# KiCad board panelized.kicad_pcb (continued)
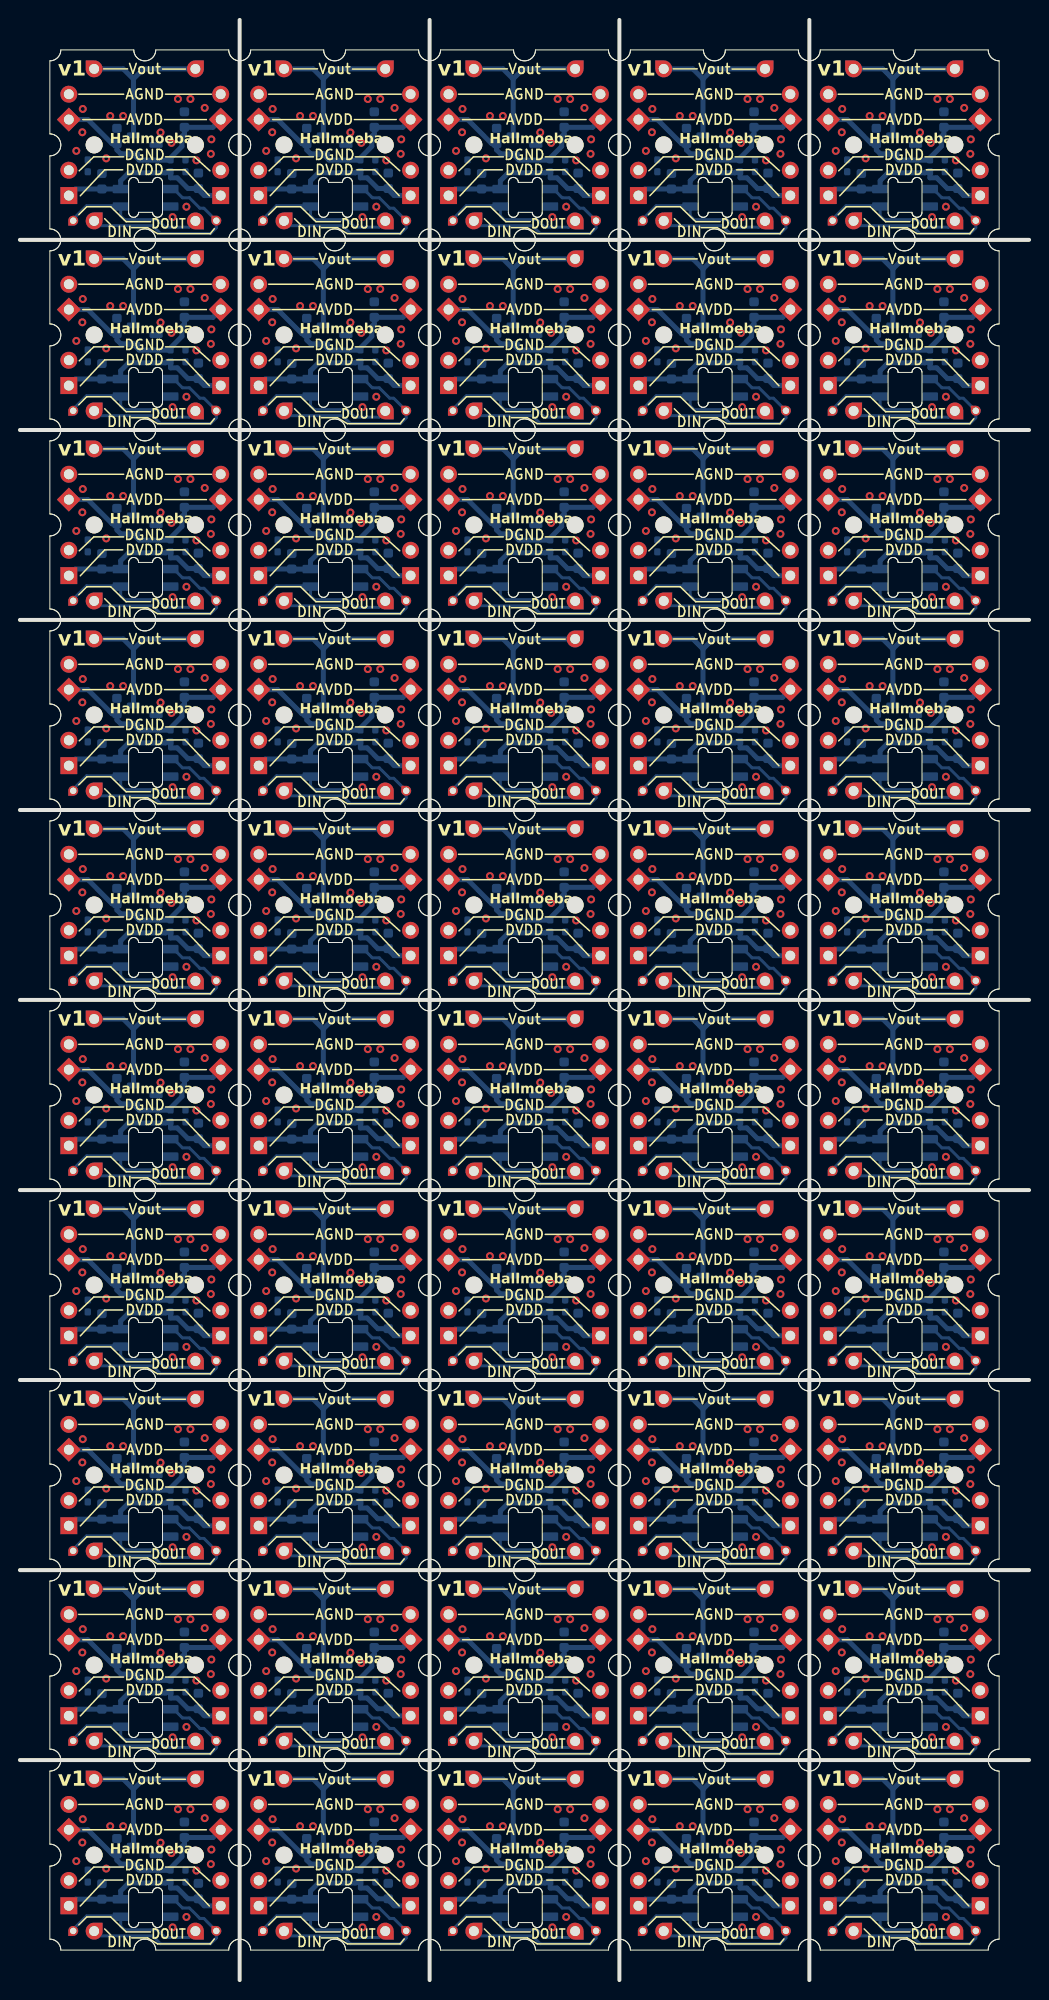
[diagram p0: board, top side]
## Placement (name value [footprint] x y rotation side) (continued)
J2#30  Conn_01x01_Pin  [PinHeader_1x01_P2.54mm_Vertical#2]  81.1 7.44 180 bottom
J2#31  Conn_01x01_Pin  [PinHeader_1x01_P2.54mm_Vertical#2]  43 102.69 180 bottom
J2#32  Conn_01x01_Pin  [PinHeader_1x01_P2.54mm_Vertical#2]  81.1 140.8 180 bottom
J2#33  Conn_01x01_Pin  [PinHeader_1x01_P2.54mm_Vertical#2]  81.1 159.84 180 bottom
J2#34  Conn_01x01_Pin  [PinHeader_1x01_P2.54mm_Vertical#2]  23.95 7.44 180 bottom
J2#35  Conn_01x01_Pin  [PinHeader_1x01_P2.54mm_Vertical#2]  62.06 140.8 180 bottom
J2#36  Conn_01x01_Pin  [PinHeader_1x01_P2.54mm_Vertical#2]  62.06 83.65 180 bottom
J2#37  Conn_01x01_Pin  [PinHeader_1x01_P2.54mm_Vertical#2]  43 64.59 180 bottom
J2#38  Conn_01x01_Pin  [PinHeader_1x01_P2.54mm_Vertical#2]  62.06 159.84 180 bottom
J2#39  Conn_01x01_Pin  [PinHeader_1x01_P2.54mm_Vertical#2]  62.06 102.69 180 bottom
J2#40  Conn_01x01_Pin  [PinHeader_1x01_P2.54mm_Vertical#2]  81.1 83.65 180 bottom
J2#41  Conn_01x01_Pin  [PinHeader_1x01_P2.54mm_Vertical#2]  62.06 64.59 180 bottom
J2#42  Conn_01x01_Pin  [PinHeader_1x01_P2.54mm_Vertical#2]  62.06 121.75 180 bottom
J2#43  Conn_01x01_Pin  [PinHeader_1x01_P2.54mm_Vertical#2]  4.91 159.84 180 bottom
J2#44  Conn_01x01_Pin  [PinHeader_1x01_P2.54mm_Vertical#2]  43 83.65 180 bottom
J2#45  Conn_01x01_Pin  [PinHeader_1x01_P2.54mm_Vertical#2]  23.95 140.8 180 bottom
J2#46  Conn_01x01_Pin  [PinHeader_1x01_P2.54mm_Vertical#2]  23.95 64.59 180 bottom
J2#47  Conn_01x01_Pin  [PinHeader_1x01_P2.54mm_Vertical#2]  62.06 178.9 180 bottom
J2#48  Conn_01x01_Pin  [PinHeader_1x01_P2.54mm_Vertical#2]  23.95 159.84 180 bottom
J2#49  Conn_01x01_Pin  [PinHeader_1x01_P2.54mm_Vertical#2]  4.91 64.59 180 bottom
J2#50  Conn_01x01_Pin  [PinHeader_1x01_P2.54mm_Vertical#2]  62.06 45.54 180 bottom
J3  Conn_01x01_Pin  [PinHeader_1x01_P2.54mm_Vertical#3]  4.91 17.6 180 bottom
J3#2  Conn_01x01_Pin  [PinHeader_1x01_P2.54mm_Vertical#3]  23.95 93.81 180 bottom
J3#3  Conn_01x01_Pin  [PinHeader_1x01_P2.54mm_Vertical#3]  23.95 131.91 180 bottom
J3#4  Conn_01x01_Pin  [PinHeader_1x01_P2.54mm_Vertical#3]  23.95 36.66 180 bottom
J3#5  Conn_01x01_Pin  [PinHeader_1x01_P2.54mm_Vertical#3]  81.1 112.86 180 bottom
J3#6  Conn_01x01_Pin  [PinHeader_1x01_P2.54mm_Vertical#3]  43 17.6 180 bottom
J3#7  Conn_01x01_Pin  [PinHeader_1x01_P2.54mm_Vertical#3]  23.95 112.86 180 bottom
J3#8  Conn_01x01_Pin  [PinHeader_1x01_P2.54mm_Vertical#3]  43 93.81 180 bottom
J3#9  Conn_01x01_Pin  [PinHeader_1x01_P2.54mm_Vertical#3]  81.1 74.75 180 bottom
J3#10  Conn_01x01_Pin  [PinHeader_1x01_P2.54mm_Vertical#3]  4.91 112.86 180 bottom
J3#11  Conn_01x01_Pin  [PinHeader_1x01_P2.54mm_Vertical#3]  4.91 55.71 180 bottom
J3#12  Conn_01x01_Pin  [PinHeader_1x01_P2.54mm_Vertical#3]  62.06 93.81 180 bottom
J3#13  Conn_01x01_Pin  [PinHeader_1x01_P2.54mm_Vertical#3]  4.91 189.06 180 bottom
J3#14  Conn_01x01_Pin  [PinHeader_1x01_P2.54mm_Vertical#3]  4.91 74.75 180 bottom
J3#15  Conn_01x01_Pin  [PinHeader_1x01_P2.54mm_Vertical#3]  4.91 131.91 180 bottom
J3#16  Conn_01x01_Pin  [PinHeader_1x01_P2.54mm_Vertical#3]  81.1 131.91 180 bottom
J3#17  Conn_01x01_Pin  [PinHeader_1x01_P2.54mm_Vertical#3]  23.95 189.06 180 bottom
J3#18  Conn_01x01_Pin  [PinHeader_1x01_P2.54mm_Vertical#3]  43 55.71 180 bottom
J3#19  Conn_01x01_Pin  [PinHeader_1x01_P2.54mm_Vertical#3]  4.91 170 180 bottom
J3#20  Conn_01x01_Pin  [PinHeader_1x01_P2.54mm_Vertical#3]  4.91 93.81 180 bottom
J3#21  Conn_01x01_Pin  [PinHeader_1x01_P2.54mm_Vertical#3]  62.06 150.95 180 bottom
J3#22  Conn_01x01_Pin  [PinHeader_1x01_P2.54mm_Vertical#3]  4.91 36.66 180 bottom
J3#23  Conn_01x01_Pin  [PinHeader_1x01_P2.54mm_Vertical#3]  81.1 36.66 180 bottom
J3#24  Conn_01x01_Pin  [PinHeader_1x01_P2.54mm_Vertical#3]  23.95 150.95 180 bottom
J3#25  Conn_01x01_Pin  [PinHeader_1x01_P2.54mm_Vertical#3]  43 131.91 180 bottom
J3#26  Conn_01x01_Pin  [PinHeader_1x01_P2.54mm_Vertical#3]  62.06 36.66 180 bottom
J3#27  Conn_01x01_Pin  [PinHeader_1x01_P2.54mm_Vertical#3]  81.1 189.06 180 bottom
J3#28  Conn_01x01_Pin  [PinHeader_1x01_P2.54mm_Vertical#3]  43 36.66 180 bottom
J3#29  Conn_01x01_Pin  [PinHeader_1x01_P2.54mm_Vertical#3]  62.06 170 180 bottom
J3#30  Conn_01x01_Pin  [PinHeader_1x01_P2.54mm_Vertical#3]  62.06 74.75 180 bottom
J3#31  Conn_01x01_Pin  [PinHeader_1x01_P2.54mm_Vertical#3]  81.1 55.71 180 bottom
J3#32  Conn_01x01_Pin  [PinHeader_1x01_P2.54mm_Vertical#3]  43 150.95 180 bottom
J3#33  Conn_01x01_Pin  [PinHeader_1x01_P2.54mm_Vertical#3]  62.06 112.86 180 bottom
J3#34  Conn_01x01_Pin  [PinHeader_1x01_P2.54mm_Vertical#3]  81.1 150.95 180 bottom
J3#35  Conn_01x01_Pin  [PinHeader_1x01_P2.54mm_Vertical#3]  81.1 93.81 180 bottom
J3#36  Conn_01x01_Pin  [PinHeader_1x01_P2.54mm_Vertical#3]  43 189.06 180 bottom
J3#37  Conn_01x01_Pin  [PinHeader_1x01_P2.54mm_Vertical#3]  62.06 55.71 180 bottom
J3#38  Conn_01x01_Pin  [PinHeader_1x01_P2.54mm_Vertical#3]  4.91 150.95 180 bottom
J3#39  Conn_01x01_Pin  [PinHeader_1x01_P2.54mm_Vertical#3]  23.95 170 180 bottom
J3#40  Conn_01x01_Pin  [PinHeader_1x01_P2.54mm_Vertical#3]  23.95 17.6 180 bottom
J3#41  Conn_01x01_Pin  [PinHeader_1x01_P2.54mm_Vertical#3]  81.1 17.6 180 bottom
J3#42  Conn_01x01_Pin  [PinHeader_1x01_P2.54mm_Vertical#3]  23.95 74.75 180 bottom
J3#43  Conn_01x01_Pin  [PinHeader_1x01_P2.54mm_Vertical#3]  81.1 170 180 bottom
J3#44  Conn_01x01_Pin  [PinHeader_1x01_P2.54mm_Vertical#3]  62.06 189.06 180 bottom
J3#45  Conn_01x01_Pin  [PinHeader_1x01_P2.54mm_Vertical#3]  43 112.86 180 bottom
J3#46  Conn_01x01_Pin  [PinHeader_1x01_P2.54mm_Vertical#3]  23.95 55.71 180 bottom
J3#47  Conn_01x01_Pin  [PinHeader_1x01_P2.54mm_Vertical#3]  43 170 180 bottom
J3#48  Conn_01x01_Pin  [PinHeader_1x01_P2.54mm_Vertical#3]  62.06 17.6 180 bottom
J3#49  Conn_01x01_Pin  [PinHeader_1x01_P2.54mm_Vertical#3]  62.06 131.91 180 bottom
J3#50  Conn_01x01_Pin  [PinHeader_1x01_P2.54mm_Vertical#3]  43 74.75 180 bottom
J4  Conn_01x01_Pin  [PinHeader_1x01_P2.54mm_Vertical#3]  58.25 112.86 180 bottom
J4#2  Conn_01x01_Pin  [PinHeader_1x01_P2.54mm_Vertical#3]  20.14 189.06 180 bottom
J4#3  Conn_01x01_Pin  [PinHeader_1x01_P2.54mm_Vertical#3]  96.34 112.86 180 bottom
J4#4  Conn_01x01_Pin  [PinHeader_1x01_P2.54mm_Vertical#3]  96.34 74.75 180 bottom
J4#5  Conn_01x01_Pin  [PinHeader_1x01_P2.54mm_Vertical#3]  77.29 93.81 180 bottom
J4#6  Conn_01x01_Pin  [PinHeader_1x01_P2.54mm_Vertical#3]  96.34 150.95 180 bottom
J4#7  Conn_01x01_Pin  [PinHeader_1x01_P2.54mm_Vertical#3]  39.19 36.66 180 bottom
J4#8  Conn_01x01_Pin  [PinHeader_1x01_P2.54mm_Vertical#3]  58.25 170 180 bottom
J4#9  Conn_01x01_Pin  [PinHeader_1x01_P2.54mm_Vertical#3]  39.19 150.95 180 bottom
J4#10  Conn_01x01_Pin  [PinHeader_1x01_P2.54mm_Vertical#3]  58.25 55.71 180 bottom
J4#11  Conn_01x01_Pin  [PinHeader_1x01_P2.54mm_Vertical#3]  77.29 150.95 180 bottom
J4#12  Conn_01x01_Pin  [PinHeader_1x01_P2.54mm_Vertical#3]  77.29 17.6 180 bottom
J4#13  Conn_01x01_Pin  [PinHeader_1x01_P2.54mm_Vertical#3]  58.25 36.66 180 bottom
J4#14  Conn_01x01_Pin  [PinHeader_1x01_P2.54mm_Vertical#3]  96.34 55.71 180 bottom
J4#15  Conn_01x01_Pin  [PinHeader_1x01_P2.54mm_Vertical#3]  96.34 93.81 180 bottom
J4#16  Conn_01x01_Pin  [PinHeader_1x01_P2.54mm_Vertical#3]  96.34 131.91 180 bottom
J4#17  Conn_01x01_Pin  [PinHeader_1x01_P2.54mm_Vertical#3]  58.25 74.75 180 bottom
J4#18  Conn_01x01_Pin  [PinHeader_1x01_P2.54mm_Vertical#3]  39.19 55.71 180 bottom
J4#19  Conn_01x01_Pin  [PinHeader_1x01_P2.54mm_Vertical#3]  58.25 150.95 180 bottom
J4#20  Conn_01x01_Pin  [PinHeader_1x01_P2.54mm_Vertical#3]  20.14 74.75 180 bottom
J4#21  Conn_01x01_Pin  [PinHeader_1x01_P2.54mm_Vertical#3]  20.14 93.81 180 bottom
J4#22  Conn_01x01_Pin  [PinHeader_1x01_P2.54mm_Vertical#3]  96.34 189.06 180 bottom
J4#23  Conn_01x01_Pin  [PinHeader_1x01_P2.54mm_Vertical#3]  39.19 189.06 180 bottom
J4#24  Conn_01x01_Pin  [PinHeader_1x01_P2.54mm_Vertical#3]  58.25 131.91 180 bottom
J4#25  Conn_01x01_Pin  [PinHeader_1x01_P2.54mm_Vertical#3]  58.25 189.06 180 bottom
J4#26  Conn_01x01_Pin  [PinHeader_1x01_P2.54mm_Vertical#3]  39.19 17.6 180 bottom
J4#27  Conn_01x01_Pin  [PinHeader_1x01_P2.54mm_Vertical#3]  77.29 36.66 180 bottom
J4#28  Conn_01x01_Pin  [PinHeader_1x01_P2.54mm_Vertical#3]  77.29 189.06 180 bottom
J4#29  Conn_01x01_Pin  [PinHeader_1x01_P2.54mm_Vertical#3]  20.14 131.91 180 bottom
J4#30  Conn_01x01_Pin  [PinHeader_1x01_P2.54mm_Vertical#3]  39.19 131.91 180 bottom
J4#31  Conn_01x01_Pin  [PinHeader_1x01_P2.54mm_Vertical#3]  20.14 55.71 180 bottom
J4#32  Conn_01x01_Pin  [PinHeader_1x01_P2.54mm_Vertical#3]  77.29 55.71 180 bottom
J4#33  Conn_01x01_Pin  [PinHeader_1x01_P2.54mm_Vertical#3]  20.14 36.66 180 bottom
J4#34  Conn_01x01_Pin  [PinHeader_1x01_P2.54mm_Vertical#3]  20.14 170 180 bottom
J4#35  Conn_01x01_Pin  [PinHeader_1x01_P2.54mm_Vertical#3]  39.19 112.86 180 bottom
J4#36  Conn_01x01_Pin  [PinHeader_1x01_P2.54mm_Vertical#3]  77.29 112.86 180 bottom
J4#37  Conn_01x01_Pin  [PinHeader_1x01_P2.54mm_Vertical#3]  39.19 93.81 180 bottom
J4#38  Conn_01x01_Pin  [PinHeader_1x01_P2.54mm_Vertical#3]  39.19 170 180 bottom
J4#39  Conn_01x01_Pin  [PinHeader_1x01_P2.54mm_Vertical#3]  20.14 17.6 180 bottom
J4#40  Conn_01x01_Pin  [PinHeader_1x01_P2.54mm_Vertical#3]  77.29 131.91 180 bottom
J4#41  Conn_01x01_Pin  [PinHeader_1x01_P2.54mm_Vertical#3]  58.25 93.81 180 bottom
J4#42  Conn_01x01_Pin  [PinHeader_1x01_P2.54mm_Vertical#3]  20.14 112.86 180 bottom
J4#43  Conn_01x01_Pin  [PinHeader_1x01_P2.54mm_Vertical#3]  96.34 170 180 bottom
J4#44  Conn_01x01_Pin  [PinHeader_1x01_P2.54mm_Vertical#3]  77.29 170 180 bottom
J4#45  Conn_01x01_Pin  [PinHeader_1x01_P2.54mm_Vertical#3]  58.25 17.6 180 bottom
J4#46  Conn_01x01_Pin  [PinHeader_1x01_P2.54mm_Vertical#3]  39.19 74.75 180 bottom
J4#47  Conn_01x01_Pin  [PinHeader_1x01_P2.54mm_Vertical#3]  96.34 36.66 180 bottom
J4#48  Conn_01x01_Pin  [PinHeader_1x01_P2.54mm_Vertical#3]  20.14 150.95 180 bottom
J4#49  Conn_01x01_Pin  [PinHeader_1x01_P2.54mm_Vertical#3]  77.29 74.75 180 bottom
J4#50  Conn_01x01_Pin  [PinHeader_1x01_P2.54mm_Vertical#3]  96.34 17.6 180 bottom
J5  Conn_01x01_Pin  [PinHeader_1x01_P2.54mm_Vertical#4]  62.06 15.06 180 bottom
J5#2  Conn_01x01_Pin  [PinHeader_1x01_P2.54mm_Vertical#4]  43 110.31 180 bottom
J5#3  Conn_01x01_Pin  [PinHeader_1x01_P2.54mm_Vertical#4]  43 91.27 180 bottom
J5#4  Conn_01x01_Pin  [PinHeader_1x01_P2.54mm_Vertical#4]  23.95 91.27 180 bottom
J5#5  Conn_01x01_Pin  [PinHeader_1x01_P2.54mm_Vertical#4]  43 129.37 180 bottom
J5#6  Conn_01x01_Pin  [PinHeader_1x01_P2.54mm_Vertical#4]  43 72.22 180 bottom
J5#7  Conn_01x01_Pin  [PinHeader_1x01_P2.54mm_Vertical#4]  43 34.12 180 bottom
J5#8  Conn_01x01_Pin  [PinHeader_1x01_P2.54mm_Vertical#4]  62.06 110.31 180 bottom
J5#9  Conn_01x01_Pin  [PinHeader_1x01_P2.54mm_Vertical#4]  23.95 53.16 180 bottom
J5#10  Conn_01x01_Pin  [PinHeader_1x01_P2.54mm_Vertical#4]  62.06 72.22 180 bottom
J5#11  Conn_01x01_Pin  [PinHeader_1x01_P2.54mm_Vertical#4]  81.1 186.51 180 bottom
J5#12  Conn_01x01_Pin  [PinHeader_1x01_P2.54mm_Vertical#4]  62.06 186.51 180 bottom
J5#13  Conn_01x01_Pin  [PinHeader_1x01_P2.54mm_Vertical#4]  81.1 34.12 180 bottom
J5#14  Conn_01x01_Pin  [PinHeader_1x01_P2.54mm_Vertical#4]  4.91 110.31 180 bottom
J5#15  Conn_01x01_Pin  [PinHeader_1x01_P2.54mm_Vertical#4]  23.95 129.37 180 bottom
J5#16  Conn_01x01_Pin  [PinHeader_1x01_P2.54mm_Vertical#4]  4.91 148.42 180 bottom
J5#17  Conn_01x01_Pin  [PinHeader_1x01_P2.54mm_Vertical#4]  81.1 148.42 180 bottom
J5#18  Conn_01x01_Pin  [PinHeader_1x01_P2.54mm_Vertical#4]  4.91 186.51 180 bottom
J5#19  Conn_01x01_Pin  [PinHeader_1x01_P2.54mm_Vertical#4]  23.95 72.22 180 bottom
J5#20  Conn_01x01_Pin  [PinHeader_1x01_P2.54mm_Vertical#4]  81.1 72.22 180 bottom
J5#21  Conn_01x01_Pin  [PinHeader_1x01_P2.54mm_Vertical#4]  4.91 34.12 180 bottom
J5#22  Conn_01x01_Pin  [PinHeader_1x01_P2.54mm_Vertical#4]  62.06 53.16 180 bottom
J5#23  Conn_01x01_Pin  [PinHeader_1x01_P2.54mm_Vertical#4]  4.91 129.37 180 bottom
J5#24  Conn_01x01_Pin  [PinHeader_1x01_P2.54mm_Vertical#4]  81.1 129.37 180 bottom
J5#25  Conn_01x01_Pin  [PinHeader_1x01_P2.54mm_Vertical#4]  62.06 34.12 180 bottom
J5#26  Conn_01x01_Pin  [PinHeader_1x01_P2.54mm_Vertical#4]  23.95 15.06 180 bottom
J5#27  Conn_01x01_Pin  [PinHeader_1x01_P2.54mm_Vertical#4]  23.95 186.51 180 bottom
J5#28  Conn_01x01_Pin  [PinHeader_1x01_P2.54mm_Vertical#4]  62.06 167.47 180 bottom
J5#29  Conn_01x01_Pin  [PinHeader_1x01_P2.54mm_Vertical#4]  62.06 148.42 180 bottom
J5#30  Conn_01x01_Pin  [PinHeader_1x01_P2.54mm_Vertical#4]  4.91 91.27 180 bottom
J5#31  Conn_01x01_Pin  [PinHeader_1x01_P2.54mm_Vertical#4]  43 167.47 180 bottom
J5#32  Conn_01x01_Pin  [PinHeader_1x01_P2.54mm_Vertical#4]  81.1 53.16 180 bottom
J5#33  Conn_01x01_Pin  [PinHeader_1x01_P2.54mm_Vertical#4]  23.95 34.12 180 bottom
J5#34  Conn_01x01_Pin  [PinHeader_1x01_P2.54mm_Vertical#4]  4.91 72.22 180 bottom
J5#35  Conn_01x01_Pin  [PinHeader_1x01_P2.54mm_Vertical#4]  4.91 15.06 180 bottom
J5#36  Conn_01x01_Pin  [PinHeader_1x01_P2.54mm_Vertical#4]  81.1 167.47 180 bottom
J5#37  Conn_01x01_Pin  [PinHeader_1x01_P2.54mm_Vertical#4]  81.1 15.06 180 bottom
J5#38  Conn_01x01_Pin  [PinHeader_1x01_P2.54mm_Vertical#4]  23.95 110.31 180 bottom
J5#39  Conn_01x01_Pin  [PinHeader_1x01_P2.54mm_Vertical#4]  43 186.51 180 bottom
J5#40  Conn_01x01_Pin  [PinHeader_1x01_P2.54mm_Vertical#4]  43 15.06 180 bottom
J5#41  Conn_01x01_Pin  [PinHeader_1x01_P2.54mm_Vertical#4]  43 53.16 180 bottom
J5#42  Conn_01x01_Pin  [PinHeader_1x01_P2.54mm_Vertical#4]  43 148.42 180 bottom
J5#43  Conn_01x01_Pin  [PinHeader_1x01_P2.54mm_Vertical#4]  62.06 129.37 180 bottom
J5#44  Conn_01x01_Pin  [PinHeader_1x01_P2.54mm_Vertical#4]  81.1 91.27 180 bottom
J5#45  Conn_01x01_Pin  [PinHeader_1x01_P2.54mm_Vertical#4]  81.1 110.31 180 bottom
J5#46  Conn_01x01_Pin  [PinHeader_1x01_P2.54mm_Vertical#4]  62.06 91.27 180 bottom
J5#47  Conn_01x01_Pin  [PinHeader_1x01_P2.54mm_Vertical#4]  4.91 167.47 180 bottom
J5#48  Conn_01x01_Pin  [PinHeader_1x01_P2.54mm_Vertical#4]  23.95 167.47 180 bottom
J5#49  Conn_01x01_Pin  [PinHeader_1x01_P2.54mm_Vertical#4]  4.91 53.16 180 bottom
J5#50  Conn_01x01_Pin  [PinHeader_1x01_P2.54mm_Vertical#4]  23.95 148.42 180 bottom
J6  Conn_01x01_Pin  [PinHeader_1x01_P2.54mm_Vertical#4]  58.25 91.27 180 bottom
J6#2  Conn_01x01_Pin  [PinHeader_1x01_P2.54mm_Vertical#4]  77.29 15.06 180 bottom
J6#3  Conn_01x01_Pin  [PinHeader_1x01_P2.54mm_Vertical#4]  58.25 148.42 180 bottom
J6#4  Conn_01x01_Pin  [PinHeader_1x01_P2.54mm_Vertical#4]  77.29 186.51 180 bottom
J6#5  Conn_01x01_Pin  [PinHeader_1x01_P2.54mm_Vertical#4]  20.14 167.47 180 bottom
J6#6  Conn_01x01_Pin  [PinHeader_1x01_P2.54mm_Vertical#4]  20.14 129.37 180 bottom
J6#7  Conn_01x01_Pin  [PinHeader_1x01_P2.54mm_Vertical#4]  20.14 72.22 180 bottom
J6#8  Conn_01x01_Pin  [PinHeader_1x01_P2.54mm_Vertical#4]  96.34 53.16 180 bottom
J6#9  Conn_01x01_Pin  [PinHeader_1x01_P2.54mm_Vertical#4]  20.14 186.51 180 bottom
J6#10  Conn_01x01_Pin  [PinHeader_1x01_P2.54mm_Vertical#4]  39.19 34.12 180 bottom
J6#11  Conn_01x01_Pin  [PinHeader_1x01_P2.54mm_Vertical#4]  20.14 53.16 180 bottom
J6#12  Conn_01x01_Pin  [PinHeader_1x01_P2.54mm_Vertical#4]  20.14 91.27 180 bottom
J6#13  Conn_01x01_Pin  [PinHeader_1x01_P2.54mm_Vertical#4]  77.29 91.27 180 bottom
J6#14  Conn_01x01_Pin  [PinHeader_1x01_P2.54mm_Vertical#4]  39.19 72.22 180 bottom
J6#15  Conn_01x01_Pin  [PinHeader_1x01_P2.54mm_Vertical#4]  58.25 186.51 180 bottom
J6#16  Conn_01x01_Pin  [PinHeader_1x01_P2.54mm_Vertical#4]  96.34 186.51 180 bottom
J6#17  Conn_01x01_Pin  [PinHeader_1x01_P2.54mm_Vertical#4]  77.29 72.22 180 bottom
J6#18  Conn_01x01_Pin  [PinHeader_1x01_P2.54mm_Vertical#4]  77.29 34.12 180 bottom
J6#19  Conn_01x01_Pin  [PinHeader_1x01_P2.54mm_Vertical#4]  96.34 91.27 180 bottom
J6#20  Conn_01x01_Pin  [PinHeader_1x01_P2.54mm_Vertical#4]  58.25 129.37 180 bottom
J6#21  Conn_01x01_Pin  [PinHeader_1x01_P2.54mm_Vertical#4]  20.14 15.06 180 bottom
J6#22  Conn_01x01_Pin  [PinHeader_1x01_P2.54mm_Vertical#4]  39.19 129.37 180 bottom
J6#23  Conn_01x01_Pin  [PinHeader_1x01_P2.54mm_Vertical#4]  58.25 72.22 180 bottom
J6#24  Conn_01x01_Pin  [PinHeader_1x01_P2.54mm_Vertical#4]  96.34 129.37 180 bottom
J6#25  Conn_01x01_Pin  [PinHeader_1x01_P2.54mm_Vertical#4]  77.29 148.42 180 bottom
J6#26  Conn_01x01_Pin  [PinHeader_1x01_P2.54mm_Vertical#4]  39.19 186.51 180 bottom
J6#27  Conn_01x01_Pin  [PinHeader_1x01_P2.54mm_Vertical#4]  58.25 34.12 180 bottom
J6#28  Conn_01x01_Pin  [PinHeader_1x01_P2.54mm_Vertical#4]  20.14 34.12 180 bottom
J6#29  Conn_01x01_Pin  [PinHeader_1x01_P2.54mm_Vertical#4]  96.34 167.47 180 bottom
J6#30  Conn_01x01_Pin  [PinHeader_1x01_P2.54mm_Vertical#4]  77.29 53.16 180 bottom
J6#31  Conn_01x01_Pin  [PinHeader_1x01_P2.54mm_Vertical#4]  96.34 148.42 180 bottom
J6#32  Conn_01x01_Pin  [PinHeader_1x01_P2.54mm_Vertical#4]  58.25 53.16 180 bottom
J6#33  Conn_01x01_Pin  [PinHeader_1x01_P2.54mm_Vertical#4]  20.14 148.42 180 bottom
J6#34  Conn_01x01_Pin  [PinHeader_1x01_P2.54mm_Vertical#4]  39.19 110.31 180 bottom
J6#35  Conn_01x01_Pin  [PinHeader_1x01_P2.54mm_Vertical#4]  96.34 72.22 180 bottom
J6#36  Conn_01x01_Pin  [PinHeader_1x01_P2.54mm_Vertical#4]  96.34 110.31 180 bottom
J6#37  Conn_01x01_Pin  [PinHeader_1x01_P2.54mm_Vertical#4]  77.29 167.47 180 bottom
J6#38  Conn_01x01_Pin  [PinHeader_1x01_P2.54mm_Vertical#4]  77.29 129.37 180 bottom
J6#39  Conn_01x01_Pin  [PinHeader_1x01_P2.54mm_Vertical#4]  96.34 34.12 180 bottom
J6#40  Conn_01x01_Pin  [PinHeader_1x01_P2.54mm_Vertical#4]  20.14 110.31 180 bottom
J6#41  Conn_01x01_Pin  [PinHeader_1x01_P2.54mm_Vertical#4]  77.29 110.31 180 bottom
J6#42  Conn_01x01_Pin  [PinHeader_1x01_P2.54mm_Vertical#4]  39.19 53.16 180 bottom
J6#43  Conn_01x01_Pin  [PinHeader_1x01_P2.54mm_Vertical#4]  58.25 15.06 180 bottom
J6#44  Conn_01x01_Pin  [PinHeader_1x01_P2.54mm_Vertical#4]  39.19 91.27 180 bottom
J6#45  Conn_01x01_Pin  [PinHeader_1x01_P2.54mm_Vertical#4]  96.34 15.06 180 bottom
J6#46  Conn_01x01_Pin  [PinHeader_1x01_P2.54mm_Vertical#4]  39.19 148.42 180 bottom
J6#47  Conn_01x01_Pin  [PinHeader_1x01_P2.54mm_Vertical#4]  39.19 167.47 180 bottom
J6#48  Conn_01x01_Pin  [PinHeader_1x01_P2.54mm_Vertical#4]  58.25 167.47 180 bottom
J6#49  Conn_01x01_Pin  [PinHeader_1x01_P2.54mm_Vertical#4]  39.19 15.06 180 bottom
J6#50  Conn_01x01_Pin  [PinHeader_1x01_P2.54mm_Vertical#4]  58.25 110.31 180 bottom
J7  Conn_01x01_Pin  [PinHeader_1x01_P2.54mm_Vertical#3]  96.34 162.38 180 bottom
J7#2  Conn_01x01_Pin  [PinHeader_1x01_P2.54mm_Vertical#3]  58.25 9.99 180 bottom
J7#3  Conn_01x01_Pin  [PinHeader_1x01_P2.54mm_Vertical#3]  20.14 143.33 180 bottom
J7#4  Conn_01x01_Pin  [PinHeader_1x01_P2.54mm_Vertical#3]  77.29 48.09 180 bottom
J7#5  Conn_01x01_Pin  [PinHeader_1x01_P2.54mm_Vertical#3]  96.34 86.19 180 bottom
J7#6  Conn_01x01_Pin  [PinHeader_1x01_P2.54mm_Vertical#3]  20.14 105.23 180 bottom
J7#7  Conn_01x01_Pin  [PinHeader_1x01_P2.54mm_Vertical#3]  39.19 181.44 180 bottom
J7#8  Conn_01x01_Pin  [PinHeader_1x01_P2.54mm_Vertical#3]  58.25 143.33 180 bottom
J7#9  Conn_01x01_Pin  [PinHeader_1x01_P2.54mm_Vertical#3]  77.29 105.23 180 bottom
J7#10  Conn_01x01_Pin  [PinHeader_1x01_P2.54mm_Vertical#3]  77.29 9.99 180 bottom
J7#11  Conn_01x01_Pin  [PinHeader_1x01_P2.54mm_Vertical#3]  58.25 67.13 180 bottom
J7#12  Conn_01x01_Pin  [PinHeader_1x01_P2.54mm_Vertical#3]  20.14 162.38 180 bottom
J7#13  Conn_01x01_Pin  [PinHeader_1x01_P2.54mm_Vertical#3]  58.25 105.23 180 bottom
J7#14  Conn_01x01_Pin  [PinHeader_1x01_P2.54mm_Vertical#3]  39.19 29.03 180 bottom
J7#15  Conn_01x01_Pin  [PinHeader_1x01_P2.54mm_Vertical#3]  96.34 124.28 180 bottom
J7#16  Conn_01x01_Pin  [PinHeader_1x01_P2.54mm_Vertical#3]  77.29 181.44 180 bottom
J7#17  Conn_01x01_Pin  [PinHeader_1x01_P2.54mm_Vertical#3]  58.25 48.09 180 bottom
J7#18  Conn_01x01_Pin  [PinHeader_1x01_P2.54mm_Vertical#3]  77.29 143.33 180 bottom
J7#19  Conn_01x01_Pin  [PinHeader_1x01_P2.54mm_Vertical#3]  77.29 29.03 180 bottom
J7#20  Conn_01x01_Pin  [PinHeader_1x01_P2.54mm_Vertical#3]  58.25 29.03 180 bottom
J7#21  Conn_01x01_Pin  [PinHeader_1x01_P2.54mm_Vertical#3]  39.19 105.23 180 bottom
J7#22  Conn_01x01_Pin  [PinHeader_1x01_P2.54mm_Vertical#3]  20.14 181.44 180 bottom
J7#23  Conn_01x01_Pin  [PinHeader_1x01_P2.54mm_Vertical#3]  77.29 162.38 180 bottom
J7#24  Conn_01x01_Pin  [PinHeader_1x01_P2.54mm_Vertical#3]  20.14 67.13 180 bottom
J7#25  Conn_01x01_Pin  [PinHeader_1x01_P2.54mm_Vertical#3]  39.19 124.28 180 bottom
J7#26  Conn_01x01_Pin  [PinHeader_1x01_P2.54mm_Vertical#3]  58.25 181.44 180 bottom
J7#27  Conn_01x01_Pin  [PinHeader_1x01_P2.54mm_Vertical#3]  96.34 143.33 180 bottom
J7#28  Conn_01x01_Pin  [PinHeader_1x01_P2.54mm_Vertical#3]  58.25 124.28 180 bottom
J7#29  Conn_01x01_Pin  [PinHeader_1x01_P2.54mm_Vertical#3]  58.25 86.19 180 bottom
J7#30  Conn_01x01_Pin  [PinHeader_1x01_P2.54mm_Vertical#3]  96.34 48.09 180 bottom
J7#31  Conn_01x01_Pin  [PinHeader_1x01_P2.54mm_Vertical#3]  96.34 9.99 180 bottom
J7#32  Conn_01x01_Pin  [PinHeader_1x01_P2.54mm_Vertical#3]  20.14 124.28 180 bottom
J7#33  Conn_01x01_Pin  [PinHeader_1x01_P2.54mm_Vertical#3]  39.19 9.99 180 bottom
J7#34  Conn_01x01_Pin  [PinHeader_1x01_P2.54mm_Vertical#3]  58.25 162.38 180 bottom
J7#35  Conn_01x01_Pin  [PinHeader_1x01_P2.54mm_Vertical#3]  39.19 143.33 180 bottom
J7#36  Conn_01x01_Pin  [PinHeader_1x01_P2.54mm_Vertical#3]  20.14 86.19 180 bottom
J7#37  Conn_01x01_Pin  [PinHeader_1x01_P2.54mm_Vertical#3]  39.19 86.19 180 bottom
J7#38  Conn_01x01_Pin  [PinHeader_1x01_P2.54mm_Vertical#3]  39.19 162.38 180 bottom
J7#39  Conn_01x01_Pin  [PinHeader_1x01_P2.54mm_Vertical#3]  39.19 67.13 180 bottom
J7#40  Conn_01x01_Pin  [PinHeader_1x01_P2.54mm_Vertical#3]  96.34 29.03 180 bottom
J7#41  Conn_01x01_Pin  [PinHeader_1x01_P2.54mm_Vertical#3]  77.29 124.28 180 bottom
J7#42  Conn_01x01_Pin  [PinHeader_1x01_P2.54mm_Vertical#3]  96.34 181.44 180 bottom
J7#43  Conn_01x01_Pin  [PinHeader_1x01_P2.54mm_Vertical#3]  96.34 105.23 180 bottom
J7#44  Conn_01x01_Pin  [PinHeader_1x01_P2.54mm_Vertical#3]  96.34 67.13 180 bottom
J7#45  Conn_01x01_Pin  [PinHeader_1x01_P2.54mm_Vertical#3]  39.19 48.09 180 bottom
J7#46  Conn_01x01_Pin  [PinHeader_1x01_P2.54mm_Vertical#3]  20.14 9.99 180 bottom
J7#47  Conn_01x01_Pin  [PinHeader_1x01_P2.54mm_Vertical#3]  77.29 67.13 180 bottom
J7#48  Conn_01x01_Pin  [PinHeader_1x01_P2.54mm_Vertical#3]  20.14 48.09 180 bottom
J7#49  Conn_01x01_Pin  [PinHeader_1x01_P2.54mm_Vertical#3]  20.14 29.03 180 bottom
J7#50  Conn_01x01_Pin  [PinHeader_1x01_P2.54mm_Vertical#3]  77.29 86.19 180 bottom
J8  Conn_01x01_Pin  [PinHeader_1x01_P2.54mm_Vertical#3]  81.1 29.03 180 bottom
J8#2  Conn_01x01_Pin  [PinHeader_1x01_P2.54mm_Vertical#3]  4.91 29.03 180 bottom
J8#3  Conn_01x01_Pin  [PinHeader_1x01_P2.54mm_Vertical#3]  81.1 162.38 180 bottom
J8#4  Conn_01x01_Pin  [PinHeader_1x01_P2.54mm_Vertical#3]  43 162.38 180 bottom
J8#5  Conn_01x01_Pin  [PinHeader_1x01_P2.54mm_Vertical#3]  4.91 9.99 180 bottom
J8#6  Conn_01x01_Pin  [PinHeader_1x01_P2.54mm_Vertical#3]  43 9.99 180 bottom
J8#7  Conn_01x01_Pin  [PinHeader_1x01_P2.54mm_Vertical#3]  43 143.33 180 bottom
J8#8  Conn_01x01_Pin  [PinHeader_1x01_P2.54mm_Vertical#3]  62.06 67.13 180 bottom
J8#9  Conn_01x01_Pin  [PinHeader_1x01_P2.54mm_Vertical#3]  81.1 48.09 180 bottom
J8#10  Conn_01x01_Pin  [PinHeader_1x01_P2.54mm_Vertical#3]  23.95 29.03 180 bottom
J8#11  Conn_01x01_Pin  [PinHeader_1x01_P2.54mm_Vertical#3]  62.06 29.03 180 bottom
J8#12  Conn_01x01_Pin  [PinHeader_1x01_P2.54mm_Vertical#3]  23.95 86.19 180 bottom
J8#13  Conn_01x01_Pin  [PinHeader_1x01_P2.54mm_Vertical#3]  43 86.19 180 bottom
J8#14  Conn_01x01_Pin  [PinHeader_1x01_P2.54mm_Vertical#3]  4.91 48.09 180 bottom
J8#15  Conn_01x01_Pin  [PinHeader_1x01_P2.54mm_Vertical#3]  81.1 124.28 180 bottom
J8#16  Conn_01x01_Pin  [PinHeader_1x01_P2.54mm_Vertical#3]  62.06 48.09 180 bottom
J8#17  Conn_01x01_Pin  [PinHeader_1x01_P2.54mm_Vertical#3]  43 124.28 180 bottom
J8#18  Conn_01x01_Pin  [PinHeader_1x01_P2.54mm_Vertical#3]  81.1 105.23 180 bottom
J8#19  Conn_01x01_Pin  [PinHeader_1x01_P2.54mm_Vertical#3]  62.06 124.28 180 bottom
J8#20  Conn_01x01_Pin  [PinHeader_1x01_P2.54mm_Vertical#3]  4.91 67.13 180 bottom
J8#21  Conn_01x01_Pin  [PinHeader_1x01_P2.54mm_Vertical#3]  4.91 162.38 180 bottom
J8#22  Conn_01x01_Pin  [PinHeader_1x01_P2.54mm_Vertical#3]  23.95 124.28 180 bottom
J8#23  Conn_01x01_Pin  [PinHeader_1x01_P2.54mm_Vertical#3]  43 181.44 180 bottom
J8#24  Conn_01x01_Pin  [PinHeader_1x01_P2.54mm_Vertical#3]  62.06 181.44 180 bottom
J8#25  Conn_01x01_Pin  [PinHeader_1x01_P2.54mm_Vertical#3]  4.91 181.44 180 bottom
J8#26  Conn_01x01_Pin  [PinHeader_1x01_P2.54mm_Vertical#3]  43 29.03 180 bottom
J8#27  Conn_01x01_Pin  [PinHeader_1x01_P2.54mm_Vertical#3]  23.95 9.99 180 bottom
J8#28  Conn_01x01_Pin  [PinHeader_1x01_P2.54mm_Vertical#3]  62.06 9.99 180 bottom
J8#29  Conn_01x01_Pin  [PinHeader_1x01_P2.54mm_Vertical#3]  81.1 67.13 180 bottom
J8#30  Conn_01x01_Pin  [PinHeader_1x01_P2.54mm_Vertical#3]  62.06 105.23 180 bottom
J8#31  Conn_01x01_Pin  [PinHeader_1x01_P2.54mm_Vertical#3]  23.95 67.13 180 bottom
J8#32  Conn_01x01_Pin  [PinHeader_1x01_P2.54mm_Vertical#3]  81.1 9.99 180 bottom
J8#33  Conn_01x01_Pin  [PinHeader_1x01_P2.54mm_Vertical#3]  62.06 143.33 180 bottom
J8#34  Conn_01x01_Pin  [PinHeader_1x01_P2.54mm_Vertical#3]  23.95 143.33 180 bottom
J8#35  Conn_01x01_Pin  [PinHeader_1x01_P2.54mm_Vertical#3]  23.95 162.38 180 bottom
J8#36  Conn_01x01_Pin  [PinHeader_1x01_P2.54mm_Vertical#3]  43 105.23 180 bottom
J8#37  Conn_01x01_Pin  [PinHeader_1x01_P2.54mm_Vertical#3]  43 48.09 180 bottom
J8#38  Conn_01x01_Pin  [PinHeader_1x01_P2.54mm_Vertical#3]  23.95 48.09 180 bottom
J8#39  Conn_01x01_Pin  [PinHeader_1x01_P2.54mm_Vertical#3]  81.1 143.33 180 bottom
J8#40  Conn_01x01_Pin  [PinHeader_1x01_P2.54mm_Vertical#3]  4.91 143.33 180 bottom
J8#41  Conn_01x01_Pin  [PinHeader_1x01_P2.54mm_Vertical#3]  4.91 124.28 180 bottom
J8#42  Conn_01x01_Pin  [PinHeader_1x01_P2.54mm_Vertical#3]  62.06 162.38 180 bottom
J8#43  Conn_01x01_Pin  [PinHeader_1x01_P2.54mm_Vertical#3]  43 67.13 180 bottom
J8#44  Conn_01x01_Pin  [PinHeader_1x01_P2.54mm_Vertical#3]  62.06 86.19 180 bottom
J8#45  Conn_01x01_Pin  [PinHeader_1x01_P2.54mm_Vertical#3]  4.91 105.23 180 bottom
J8#46  Conn_01x01_Pin  [PinHeader_1x01_P2.54mm_Vertical#3]  81.1 86.19 180 bottom
J8#47  Conn_01x01_Pin  [PinHeader_1x01_P2.54mm_Vertical#3]  23.95 105.23 180 bottom
J8#48  Conn_01x01_Pin  [PinHeader_1x01_P2.54mm_Vertical#3]  23.95 181.44 180 bottom
J8#49  Conn_01x01_Pin  [PinHeader_1x01_P2.54mm_Vertical#3]  81.1 181.44 180 bottom
J8#50  Conn_01x01_Pin  [PinHeader_1x01_P2.54mm_Vertical#3]  4.91 86.19 180 bottom
J9  Conn_01x01_Pin  [PinHeader_1x01_P2.54mm_Vertical]  17.61 115.39 90 bottom
J9#2  Conn_01x01_Pin  [PinHeader_1x01_P2.54mm_Vertical]  36.66 191.59 90 bottom
J9#3  Conn_01x01_Pin  [PinHeader_1x01_P2.54mm_Vertical]  93.81 58.25 90 bottom
J9#4  Conn_01x01_Pin  [PinHeader_1x01_P2.54mm_Vertical]  36.66 39.19 90 bottom
J9#5  Conn_01x01_Pin  [PinHeader_1x01_P2.54mm_Vertical]  55.71 191.59 90 bottom
J9#6  Conn_01x01_Pin  [PinHeader_1x01_P2.54mm_Vertical]  74.75 58.25 90 bottom
J9#7  Conn_01x01_Pin  [PinHeader_1x01_P2.54mm_Vertical]  36.66 134.44 90 bottom
J9#8  Conn_01x01_Pin  [PinHeader_1x01_P2.54mm_Vertical]  55.71 172.55 90 bottom
J9#9  Conn_01x01_Pin  [PinHeader_1x01_P2.54mm_Vertical]  74.75 191.59 90 bottom
J9#10  Conn_01x01_Pin  [PinHeader_1x01_P2.54mm_Vertical]  55.71 96.34 90 bottom
J9#11  Conn_01x01_Pin  [PinHeader_1x01_P2.54mm_Vertical]  36.66 58.25 90 bottom
J9#12  Conn_01x01_Pin  [PinHeader_1x01_P2.54mm_Vertical]  93.81 134.44 90 bottom
J9#13  Conn_01x01_Pin  [PinHeader_1x01_P2.54mm_Vertical]  55.71 115.39 90 bottom
J9#14  Conn_01x01_Pin  [PinHeader_1x01_P2.54mm_Vertical]  36.66 20.15 90 bottom
J9#15  Conn_01x01_Pin  [PinHeader_1x01_P2.54mm_Vertical]  17.61 39.19 90 bottom
J9#16  Conn_01x01_Pin  [PinHeader_1x01_P2.54mm_Vertical]  93.81 39.19 90 bottom
J9#17  Conn_01x01_Pin  [PinHeader_1x01_P2.54mm_Vertical]  36.66 77.29 90 bottom
J9#18  Conn_01x01_Pin  [PinHeader_1x01_P2.54mm_Vertical]  93.81 172.55 90 bottom
J9#19  Conn_01x01_Pin  [PinHeader_1x01_P2.54mm_Vertical]  93.81 96.34 90 bottom
J9#20  Conn_01x01_Pin  [PinHeader_1x01_P2.54mm_Vertical]  17.61 58.25 90 bottom
J9#21  Conn_01x01_Pin  [PinHeader_1x01_P2.54mm_Vertical]  17.61 20.15 90 bottom
J9#22  Conn_01x01_Pin  [PinHeader_1x01_P2.54mm_Vertical]  17.61 96.34 90 bottom
J9#23  Conn_01x01_Pin  [PinHeader_1x01_P2.54mm_Vertical]  36.66 115.39 90 bottom
J9#24  Conn_01x01_Pin  [PinHeader_1x01_P2.54mm_Vertical]  74.75 172.55 90 bottom
J9#25  Conn_01x01_Pin  [PinHeader_1x01_P2.54mm_Vertical]  93.81 191.59 90 bottom
J9#26  Conn_01x01_Pin  [PinHeader_1x01_P2.54mm_Vertical]  36.66 172.55 90 bottom
J9#27  Conn_01x01_Pin  [PinHeader_1x01_P2.54mm_Vertical]  17.61 172.55 90 bottom
J9#28  Conn_01x01_Pin  [PinHeader_1x01_P2.54mm_Vertical]  55.71 58.25 90 bottom
J9#29  Conn_01x01_Pin  [PinHeader_1x01_P2.54mm_Vertical]  17.61 153.5 90 bottom
J9#30  Conn_01x01_Pin  [PinHeader_1x01_P2.54mm_Vertical]  93.81 115.39 90 bottom
J9#31  Conn_01x01_Pin  [PinHeader_1x01_P2.54mm_Vertical]  74.75 77.29 90 bottom
J9#32  Conn_01x01_Pin  [PinHeader_1x01_P2.54mm_Vertical]  55.71 20.15 90 bottom
J9#33  Conn_01x01_Pin  [PinHeader_1x01_P2.54mm_Vertical]  93.81 20.15 90 bottom
J9#34  Conn_01x01_Pin  [PinHeader_1x01_P2.54mm_Vertical]  55.71 39.19 90 bottom
J9#35  Conn_01x01_Pin  [PinHeader_1x01_P2.54mm_Vertical]  74.75 134.44 90 bottom
J9#36  Conn_01x01_Pin  [PinHeader_1x01_P2.54mm_Vertical]  55.71 77.29 90 bottom
J9#37  Conn_01x01_Pin  [PinHeader_1x01_P2.54mm_Vertical]  55.71 134.44 90 bottom
J9#38  Conn_01x01_Pin  [PinHeader_1x01_P2.54mm_Vertical]  93.81 153.5 90 bottom
J9#39  Conn_01x01_Pin  [PinHeader_1x01_P2.54mm_Vertical]  17.61 77.29 90 bottom
J9#40  Conn_01x01_Pin  [PinHeader_1x01_P2.54mm_Vertical]  74.75 96.34 90 bottom
